# Altium PCB Cyber_VCM.PcbDoc
Units mil, origin at the board's own origin, x right, y up, seen from the top; angles counter-clockwise.
Board outline 1321.55 x 1548.84 mil, 4 copper layers (Top Layer, GND, Signal, Bottom Layer), stack 23.756 mil thick; 77 components, 60 nets, 321 pads, 159 vias.
Unrouted connection lines stored in the file: 63.
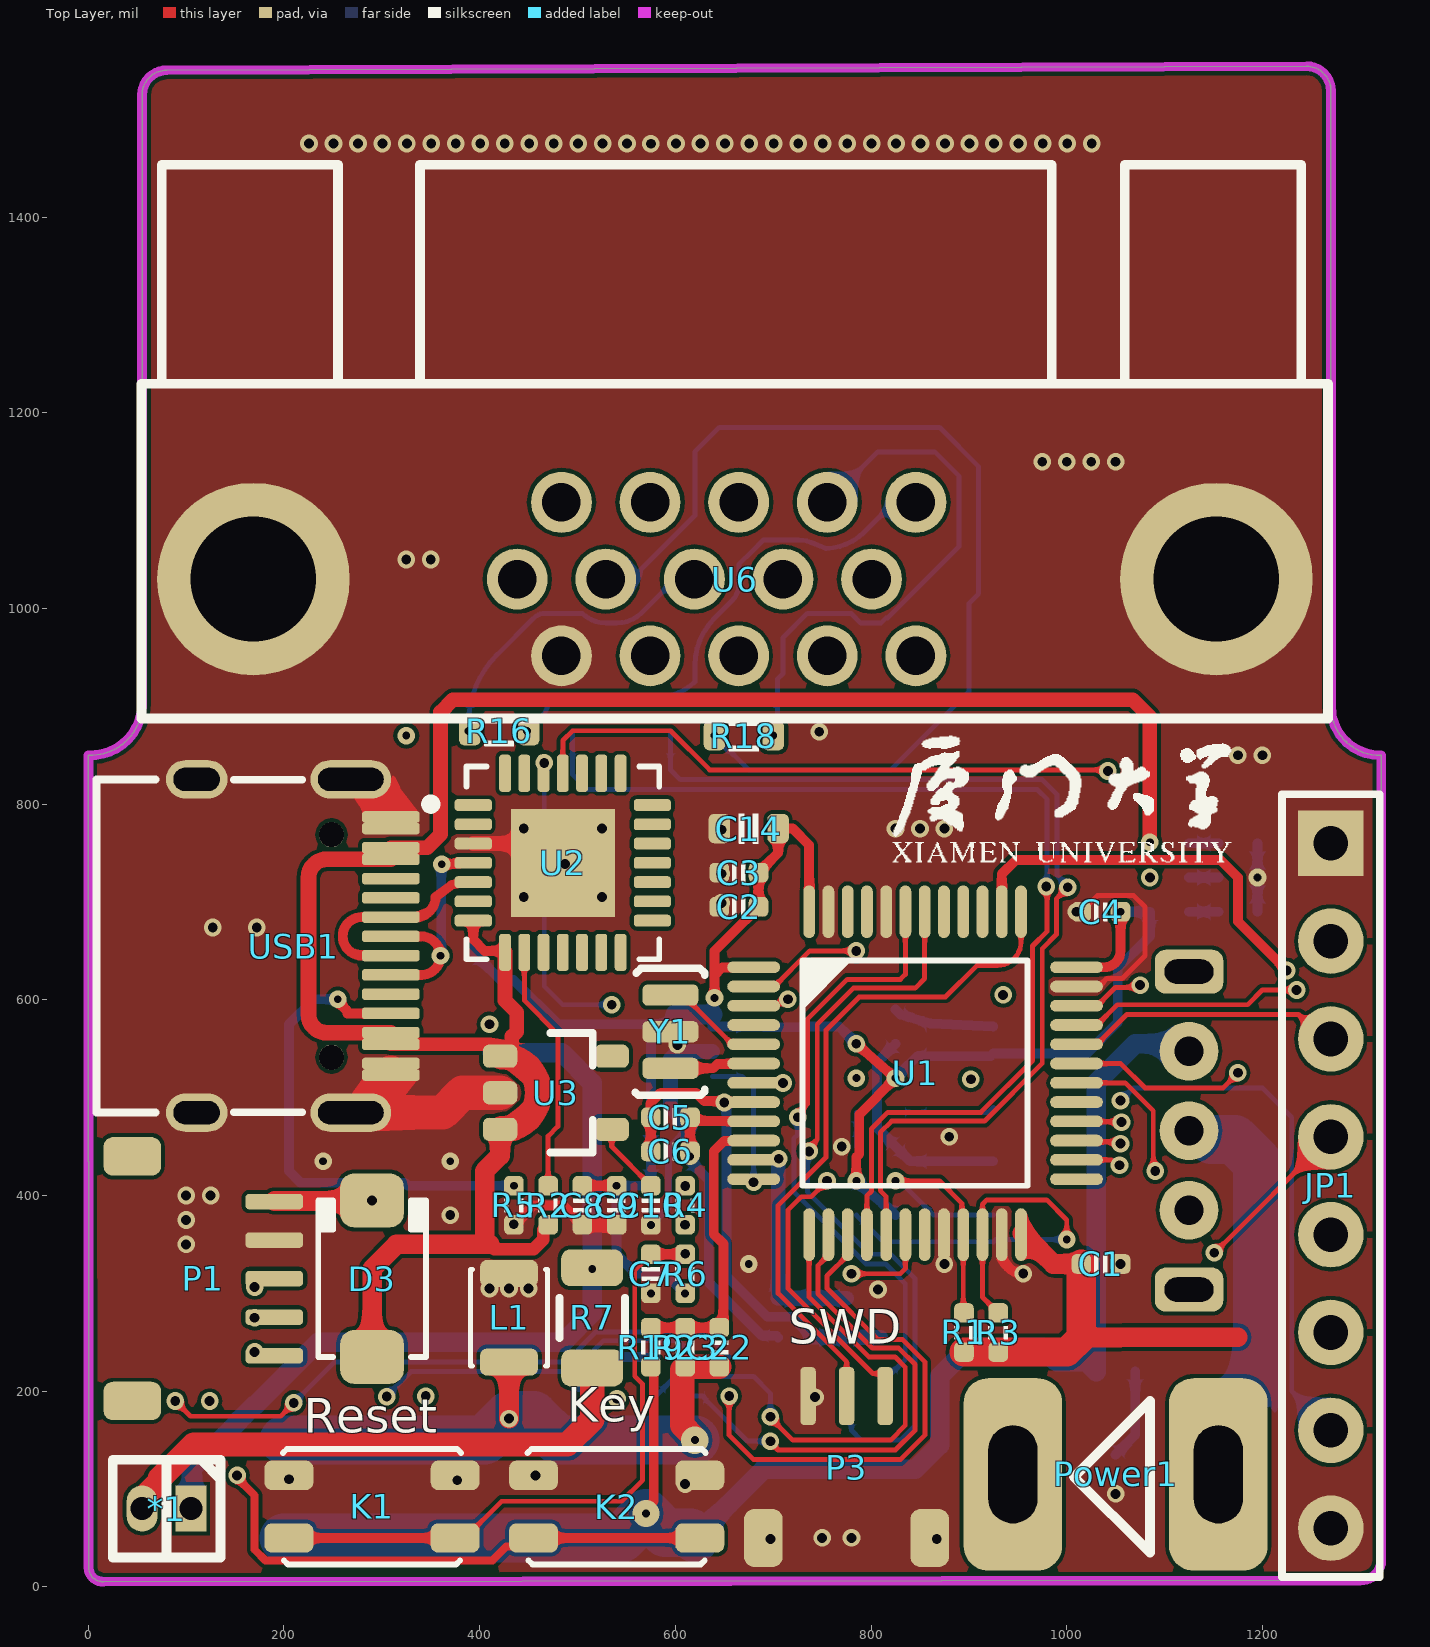
[diagram p0: Top Layer view]
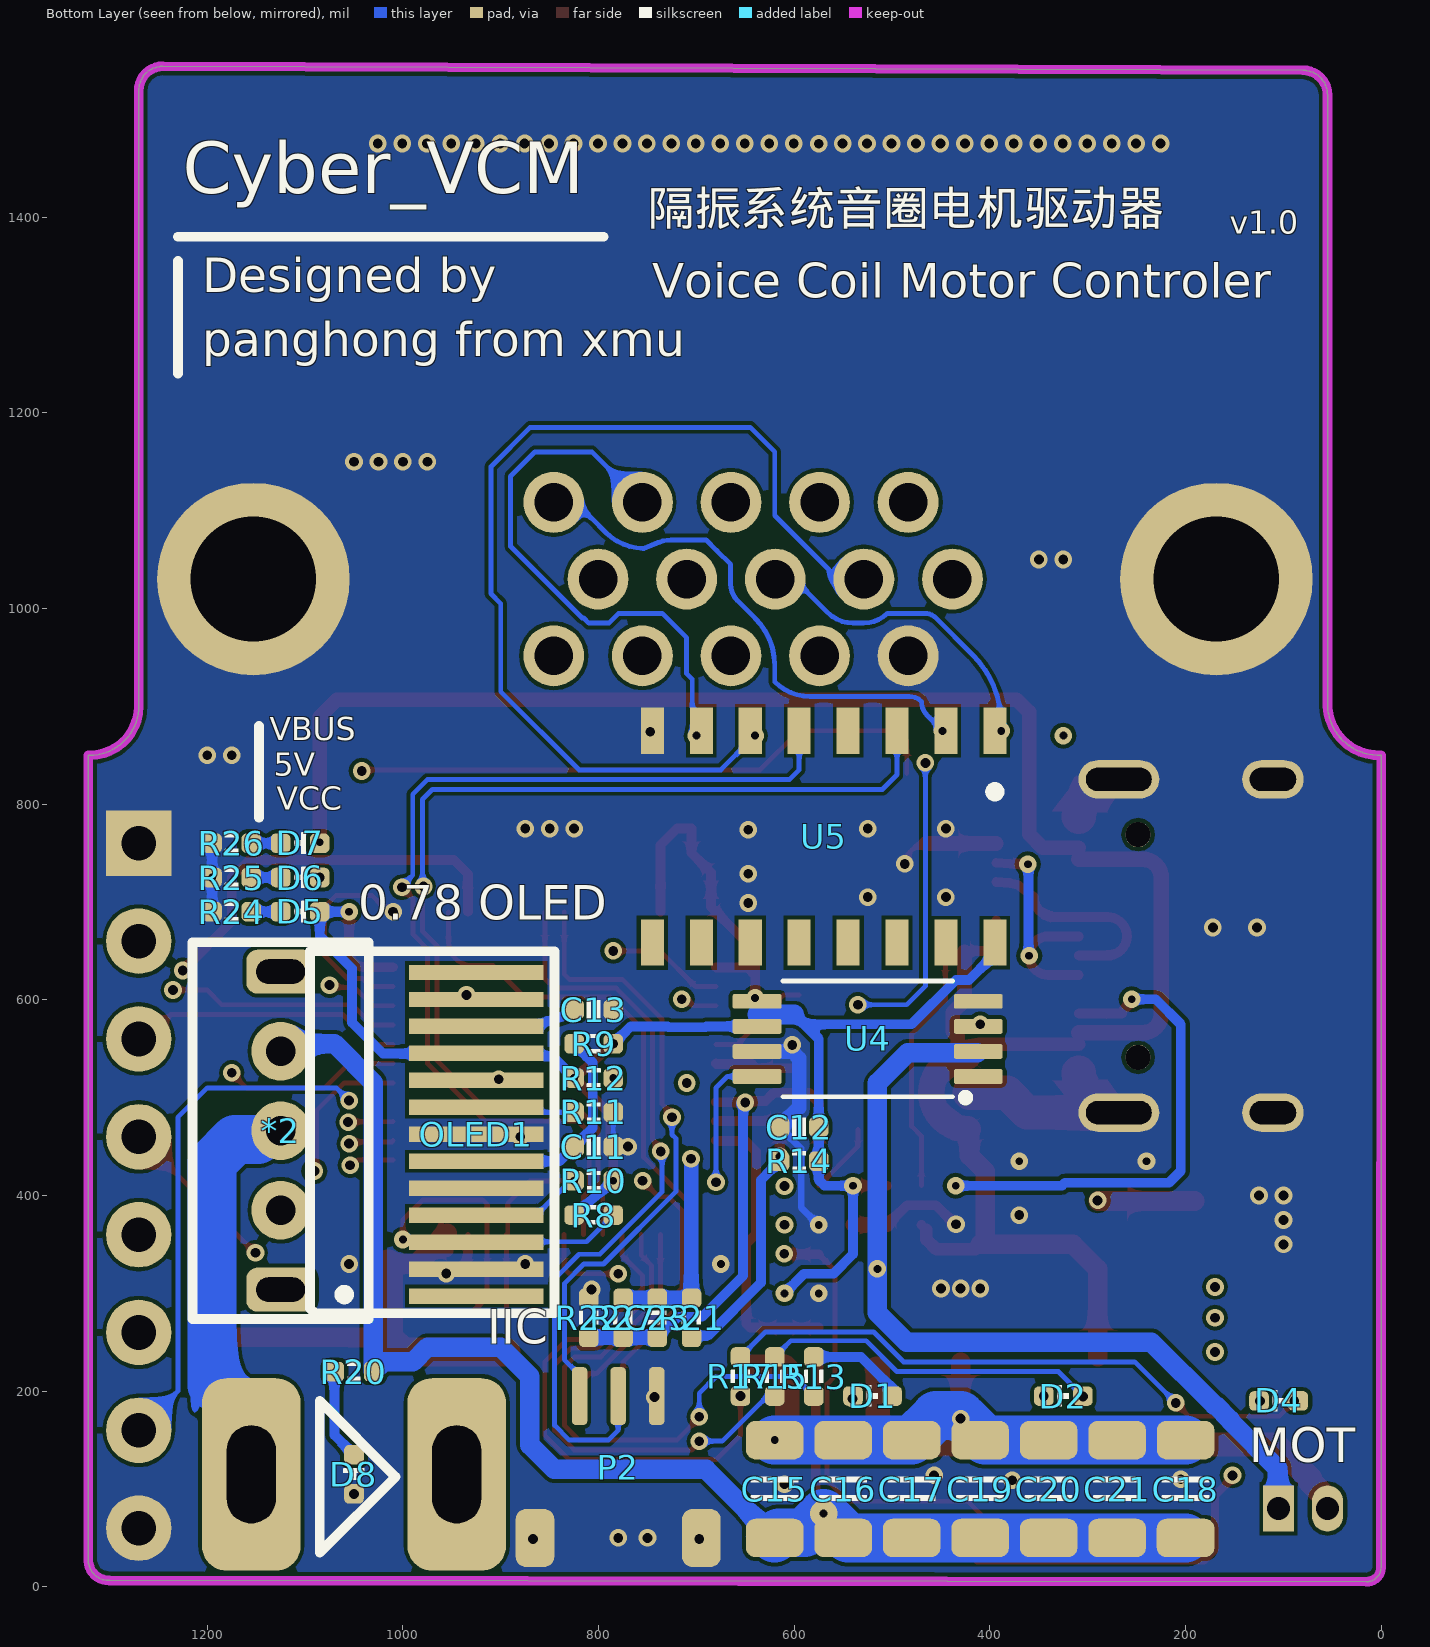
[diagram p1: Bottom Layer view, seen from below]
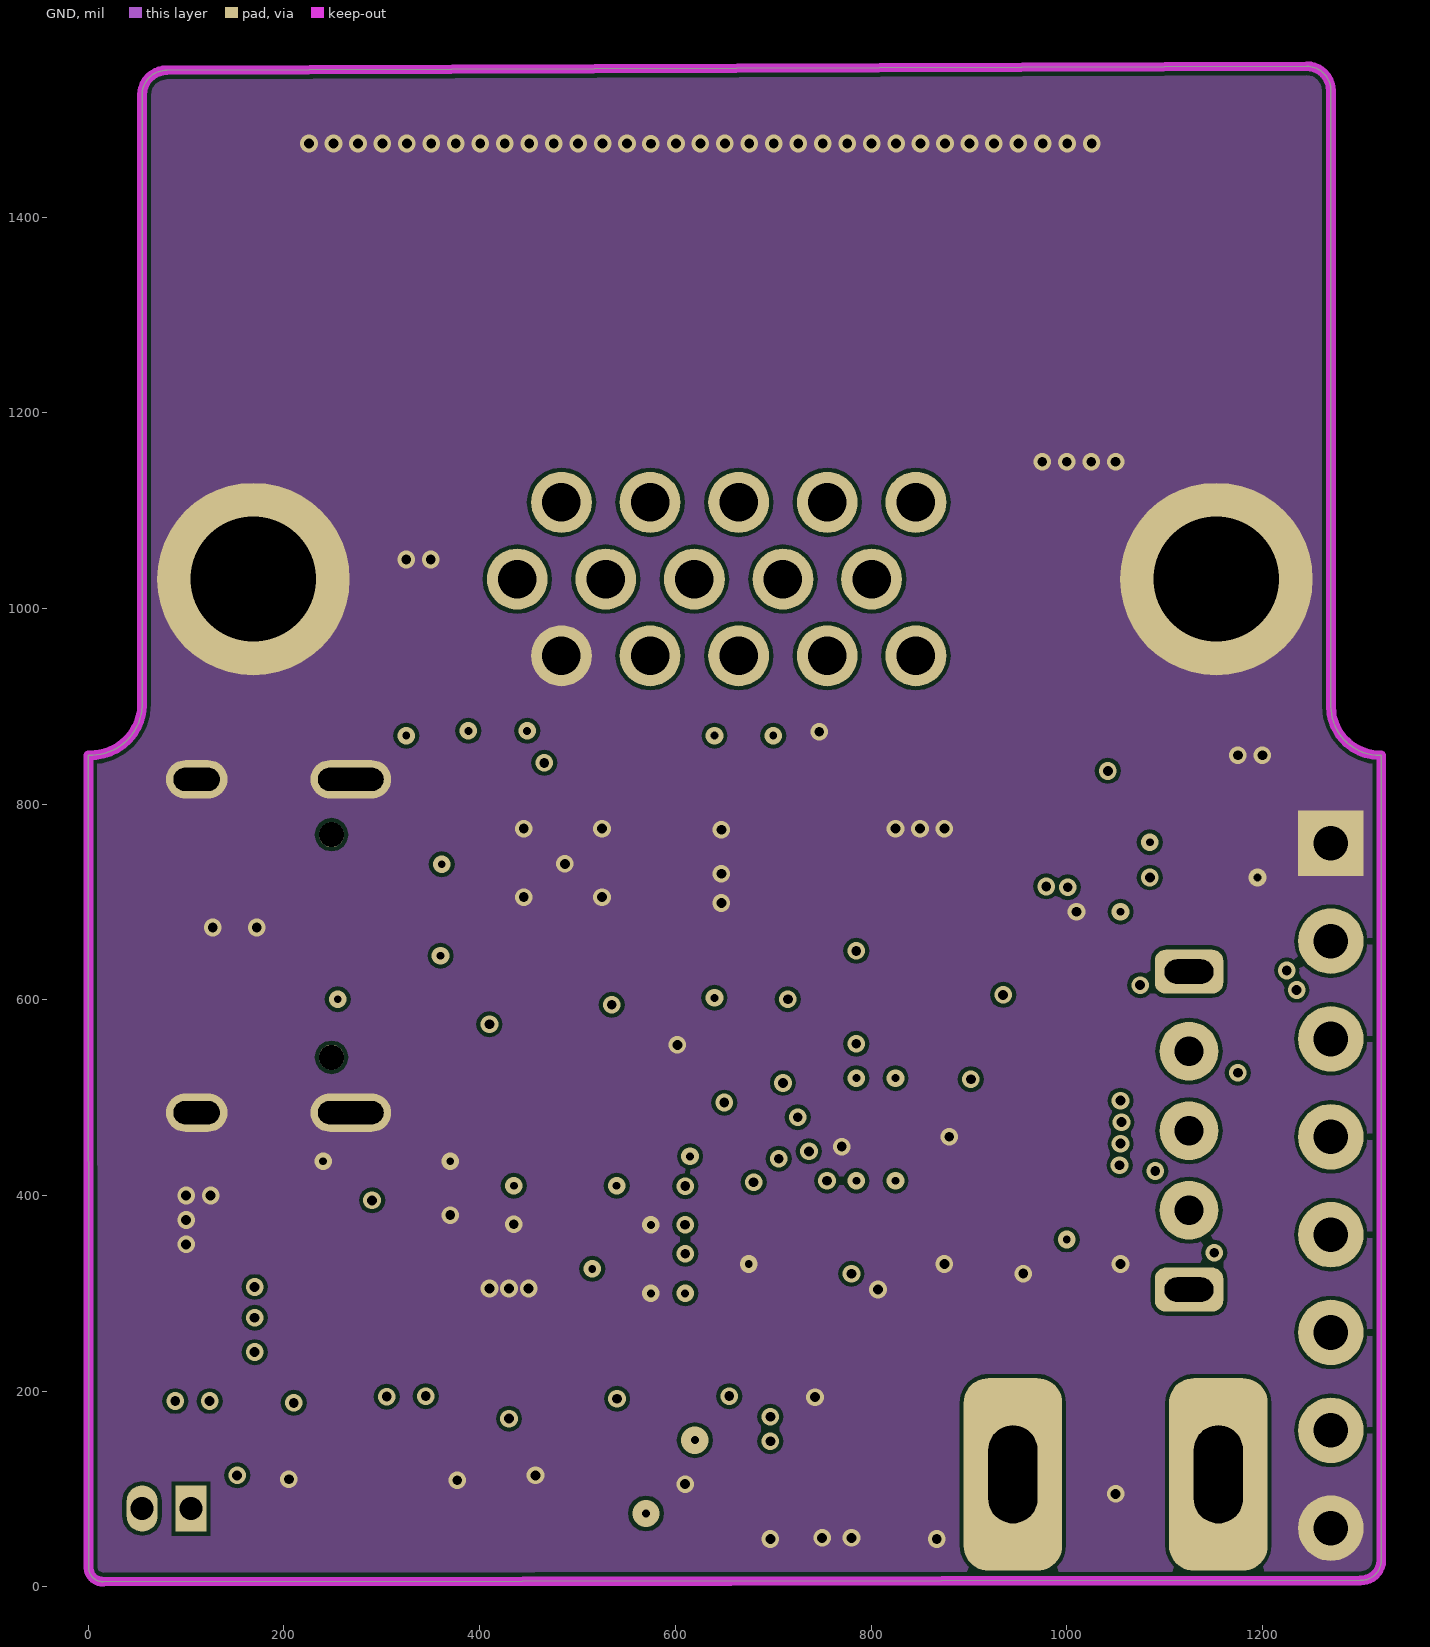
[diagram p2: GND]
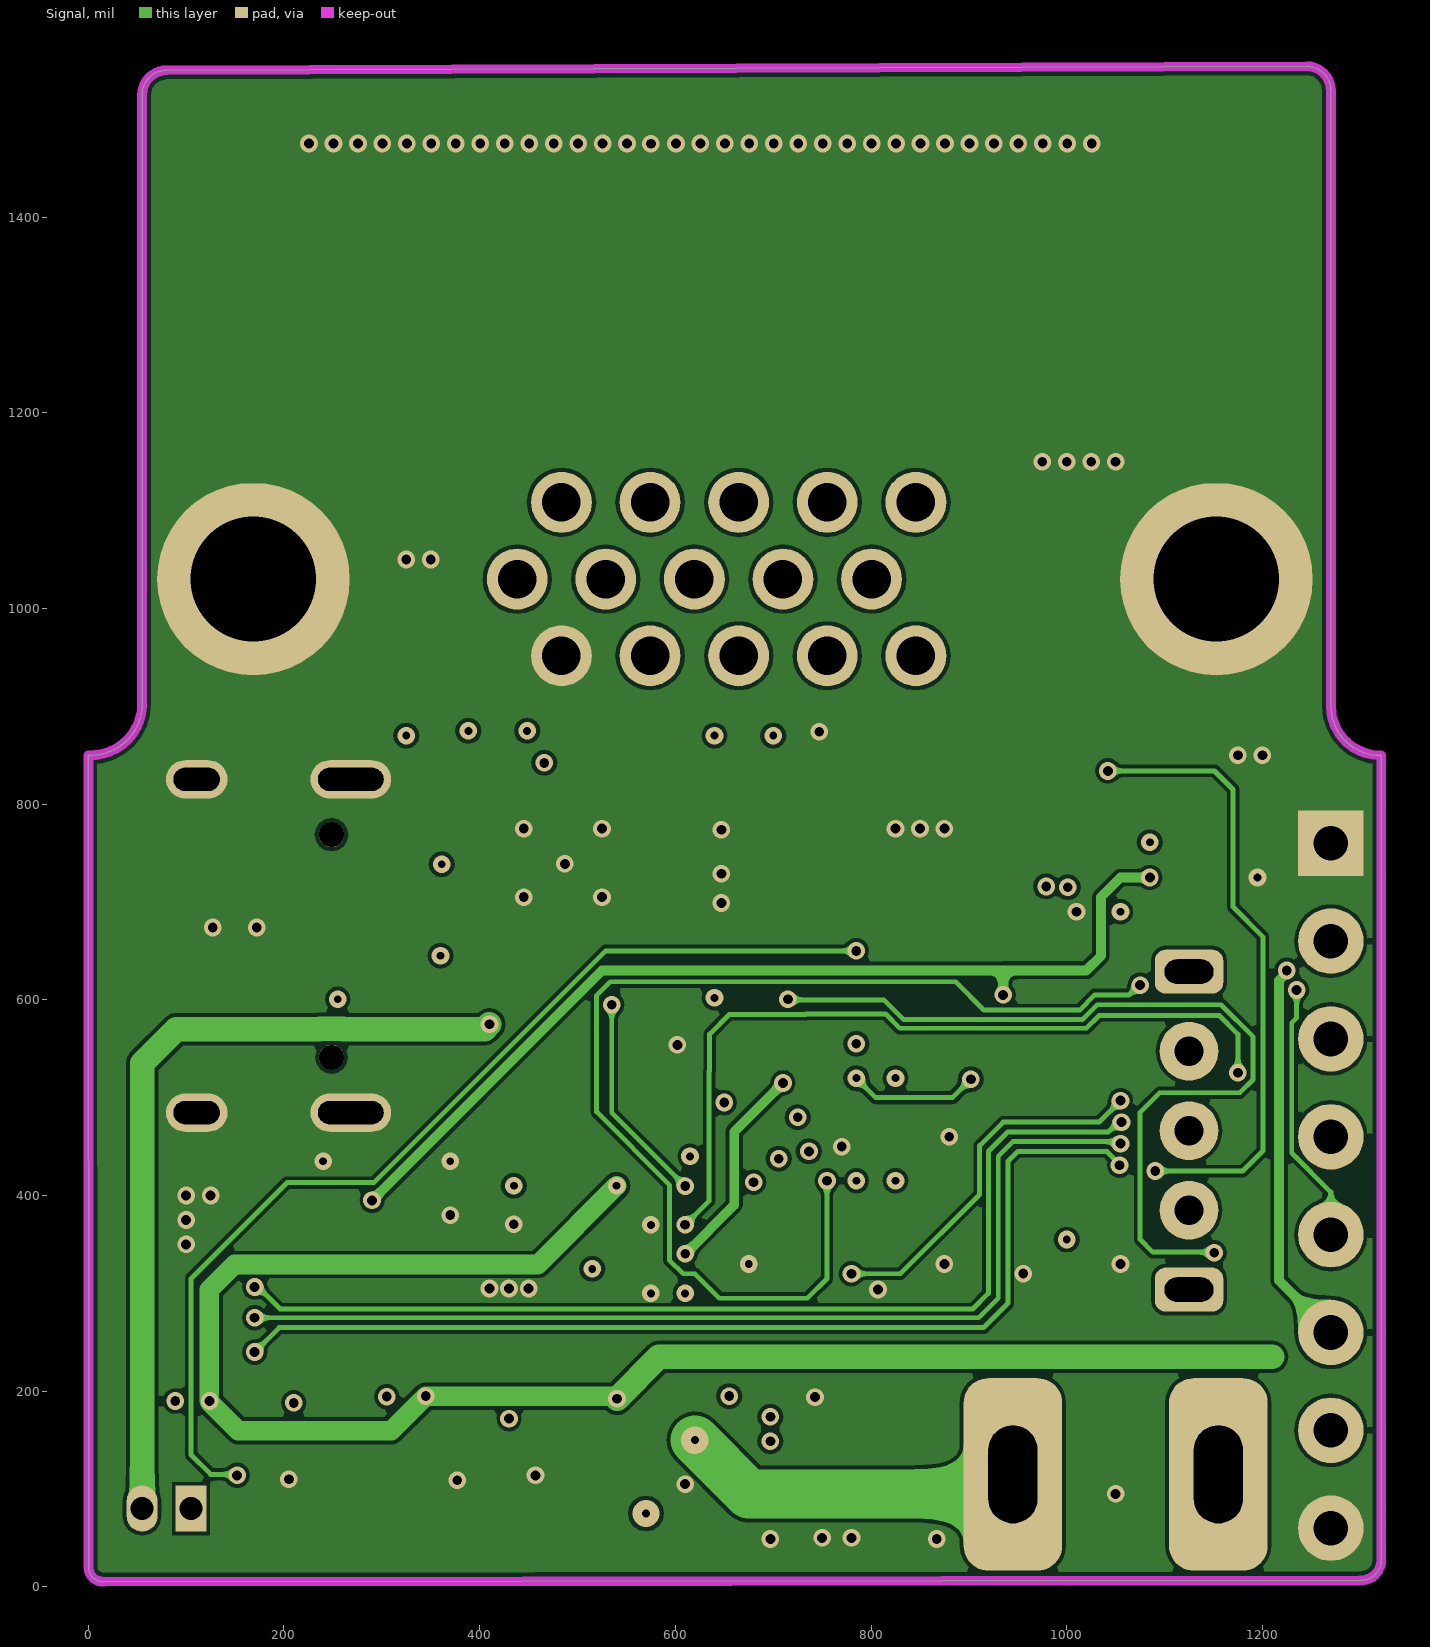
[diagram p3: Signal]

## Layer stack, top to bottom
Top Solder: solder mask 0.4, Solder Resist, Dk 3.5
Top Layer: signal copper 1.4
Dielectric 2: prepreg 2.8, PP-006, Dk 4.1
GND: signal copper 1.378
Dielectric 1: dielectric 12.6, FR-4, Dk 4.8
Signal: signal copper 1.378
Dielectric 3: prepreg 2.8, PP-006, Dk 4.1
Bottom Layer: signal copper 1.4
Bottom Solder: solder mask 0.4, Solder Resist, Dk 3.5

## Board outline
0.28,19.48 0.08,850 0,850 ccw(c2.5,902.5) 55,900 55,1525 54.99,1524.98 cw(c80.01,1524.98) 80.01,1550 1245.28,1554.11 cw(c1245.28,1529.4) 1270,1529.4 1270,900 ccw(c1320,900) 1320,850 1321.55,850 1321.52,26.59 cw(c1300.83,27.3) 1300.12,6.61 15.51,5.27 cw(c15,19.99)

## Design rules (kind name [scope] priority, off if disabled: settings)
Clearance [All] p1: gap=4 ignorepadtopadclearanceinfootprint=TRUE
PlaneClearance [All] p1: clearance=8
PlaneConnect [All] p1: planeconnectstyle=Direct reliefexpansion=20 reliefentries=4 reliefconductorwidth=10 reliefairgap=10
PolygonConnect [All] p1: connectstyle=Direct reliefconductorwidth=10 reliefentries=4 polygonreliefangle="90 Angle" airgapwidth=10
RoutingVias [All] p1: holewidth=28 width=50 viastyle="Through Hole" minholewidth=28 minwidth=50 maxholewidth=28 maxwidth=50
SolderMaskExpansion [All] p1: expansion=4 istentingtop=FALSE
Width [All] p1: maxlimit=50 minlimit=4 preferedwidth=5
28 further rules are at their usual default settings.

## Components (designator, comment, footprint, x,y, rotation, side; value= is the part's Value field where it differs from the comment)
*1 "MOTOR" HDR1.27-LI-2P 80,80 r180 top
*2 "电源开关" 电源开关 1125,303.75 r90 bottom
C1 "0.1uF" CAP_0402 1035,330 r180 top value=0.1u
C2 "0.1uF" CAP_0402 665,695 r0 top value=0.1u
C3 "0.1uF" CAP_0402 665,730 r0 top value=0.1u
C4 "0.1uF" CAP_0402 1035,690 r0 top value=0.1u
C5 "10uF" CAP_0402 595,480 r0 top value=0.1u
C6 "0.1uF" CAP_0402 595,445 r0 top value=0.1u
C7 "0.1uF" CAP_0402 575,320 r90 top value=0.1u
C8 "0.1uF" CAP_0402 505,390 r90 top value=0.1u
C9 "10uF" CAP_0402 540,390 r90 top value=0.1u
C10 "10nF" CAP_0402 575,390 r270 top value=0.1u
C11 "10uF" CAP_0402 805,450 r0 bottom value=0.1u
C12 "0.1uF" CAP_0402 595,470 r180 bottom value=0.1u
C13 "10uF" CAP_0402 805,590 r0 bottom value=0.1u
C14 "0.1uF" 0603-CAP 675,775 r0 top value=0.1u
C15 "100uF" 1206-CAP 620,100 r270 bottom value=0.1u
C16 "100uF" 1206-CAP 550,100 r270 bottom value=0.1u
C17 "100uF" 1206-CAP 480,100 r270 bottom value=0.1u
C18 "100uF" 1206-CAP 200,100 r270 bottom value=0.1u
C19 "100uF" 1206-CAP 410,100 r270 bottom value=0.1u
C20 "100uF" 1206-CAP 340,100 r270 bottom value=0.1u
C21 "100uF" 1206-CAP 270,100 r270 bottom value=0.1u
C22 "0.1uF" CAP_0402 645,245 r270 top value=0.1u
C23 "10uF" CAP_0402 740,275 r90 bottom value=0.1u
D1 "color?" LED_0402_BLUE 520,195 r180 bottom
D2 "color?" LED_0402_BLUE 325,195 r180 bottom
D3 "SS54" DO-214AC 290,315 r90 top
D4 "color?" LED_0402_BLUE 105,190 r180 bottom
D5 "color?" LED_0402_BLUE 1105,690 r0 bottom
D6 "color?" LED_0402_BLUE 1105,725 r0 bottom
D7 "color?" LED_0402_BLUE 1105,760 r0 bottom
D8 "color?" LED_0402_BLUE 1050,115 r270 bottom
JP1 "HDR-1X8" HDR2.54-M-LI-8P 1270,410 r270 top
K1 "TACT 4P" ButtonTACT_3.5*3.55_90 290,82 r180 top value=3.4x3.5
K2 "TACT 4P" ButtonTACT_3.5*3.55_90 540,82 r180 top value=3.4x3.5
L1 "4.7uH" 2520-L 430,275 r90 top
OLED1 "OLED12880" OLED12880 615,479.65 r180 bottom
P1 "SH1.0-5P" SH1.0-5P 190,315 r270 top
P2 "SH1.0-3P" SH1.0-3P 780,195 r180 bottom
P3 "SH1.0-3P" SH1.0-3P 775,195 r0 top
Power1 "电源" TX60电源 1050,110 r180 top
R1 "4.7K" RES_0402 895,260 r270 top value=22R
R2 "10K" RES_0402 470,390 r90 top value=22R
R3 "4.7K" RES_0402 930,260 r270 top value=22R
R4 "200" RES_0402 610,390 r90 top value=22R
R5 "5.1K" RES_0402 435,390 r270 top value=22R
R6 "10K" RES_0402 610,320 r270 top value=22R
R7 "0.01R" 1206-RES 515,275 r270 top value=22R
R8 "10K" RES_0402 805,380 r0 bottom value=22R
R9 "10K" RES_0402 805,555 r180 bottom value=22R
R10 "10K" RES_0402 805,415 r180 bottom value=22R
R11 "560K" RES_0402 805,485 r180 bottom value=22R
R12 "4.7K" RES_0402 805,520 r0 bottom value=22R
R13 "2K" RES_0402 580,215 r270 bottom value=22R
R14 "0R" RES_0402 595,435 r180 bottom value=22R
R15 "2K" RES_0402 620,215 r270 bottom value=22R
R16 "120R" RES_0603 420,875 r180 top value=22R
R17 "2K" RES_0402 655,215 r270 bottom value=22R
R18 "120R" RES_0603 670,870 r180 top value=22R
R19 "10K" RES_0402 575,245 r270 top value=22R
R20 "460K" RES_0402 1050,220 r0 bottom value=22R
R21 "NCP15XH103F03RC" RES_0402 705,275 r270 bottom value=10k
R22 "0" RES_0402 810,275 r90 bottom value=22R
R23 "1K" RES_0402 610,245 r90 top value=22R
R24 "1.5K" RES_0402 1175,690 r0 bottom value=22R
R25 "2K" RES_0402 1175,725 r0 bottom value=22R
R26 "2K" RES_0402 1175,760 r0 bottom value=22R
R27 "3.3K" RES_0402 775,275 r90 bottom value=22R
U1 "STM32F103CBT6" LQFP-48 845,525 r0 top
U2 "CP2102" QFN-28 485,740 r0 top value=Value
U3 "LP2992 3V3" SOT23-5 480,505 r0 top
U4 "INA240A2PWR" "SOP65 P640X120-8N" 525,560 r0 bottom
U5 "AM26C32" SOP16 565,767.64 r0 bottom
U6 "VGA" VGA15A 664.72,951.58 r180 top
USB1 "Type-C" Type-C-TOP 210,655 r180 top
Y1 "8MHz" 晶振-3P 595,567.4 r90 top
